# Allegro board CATALYSTK_260108.brd (continued)
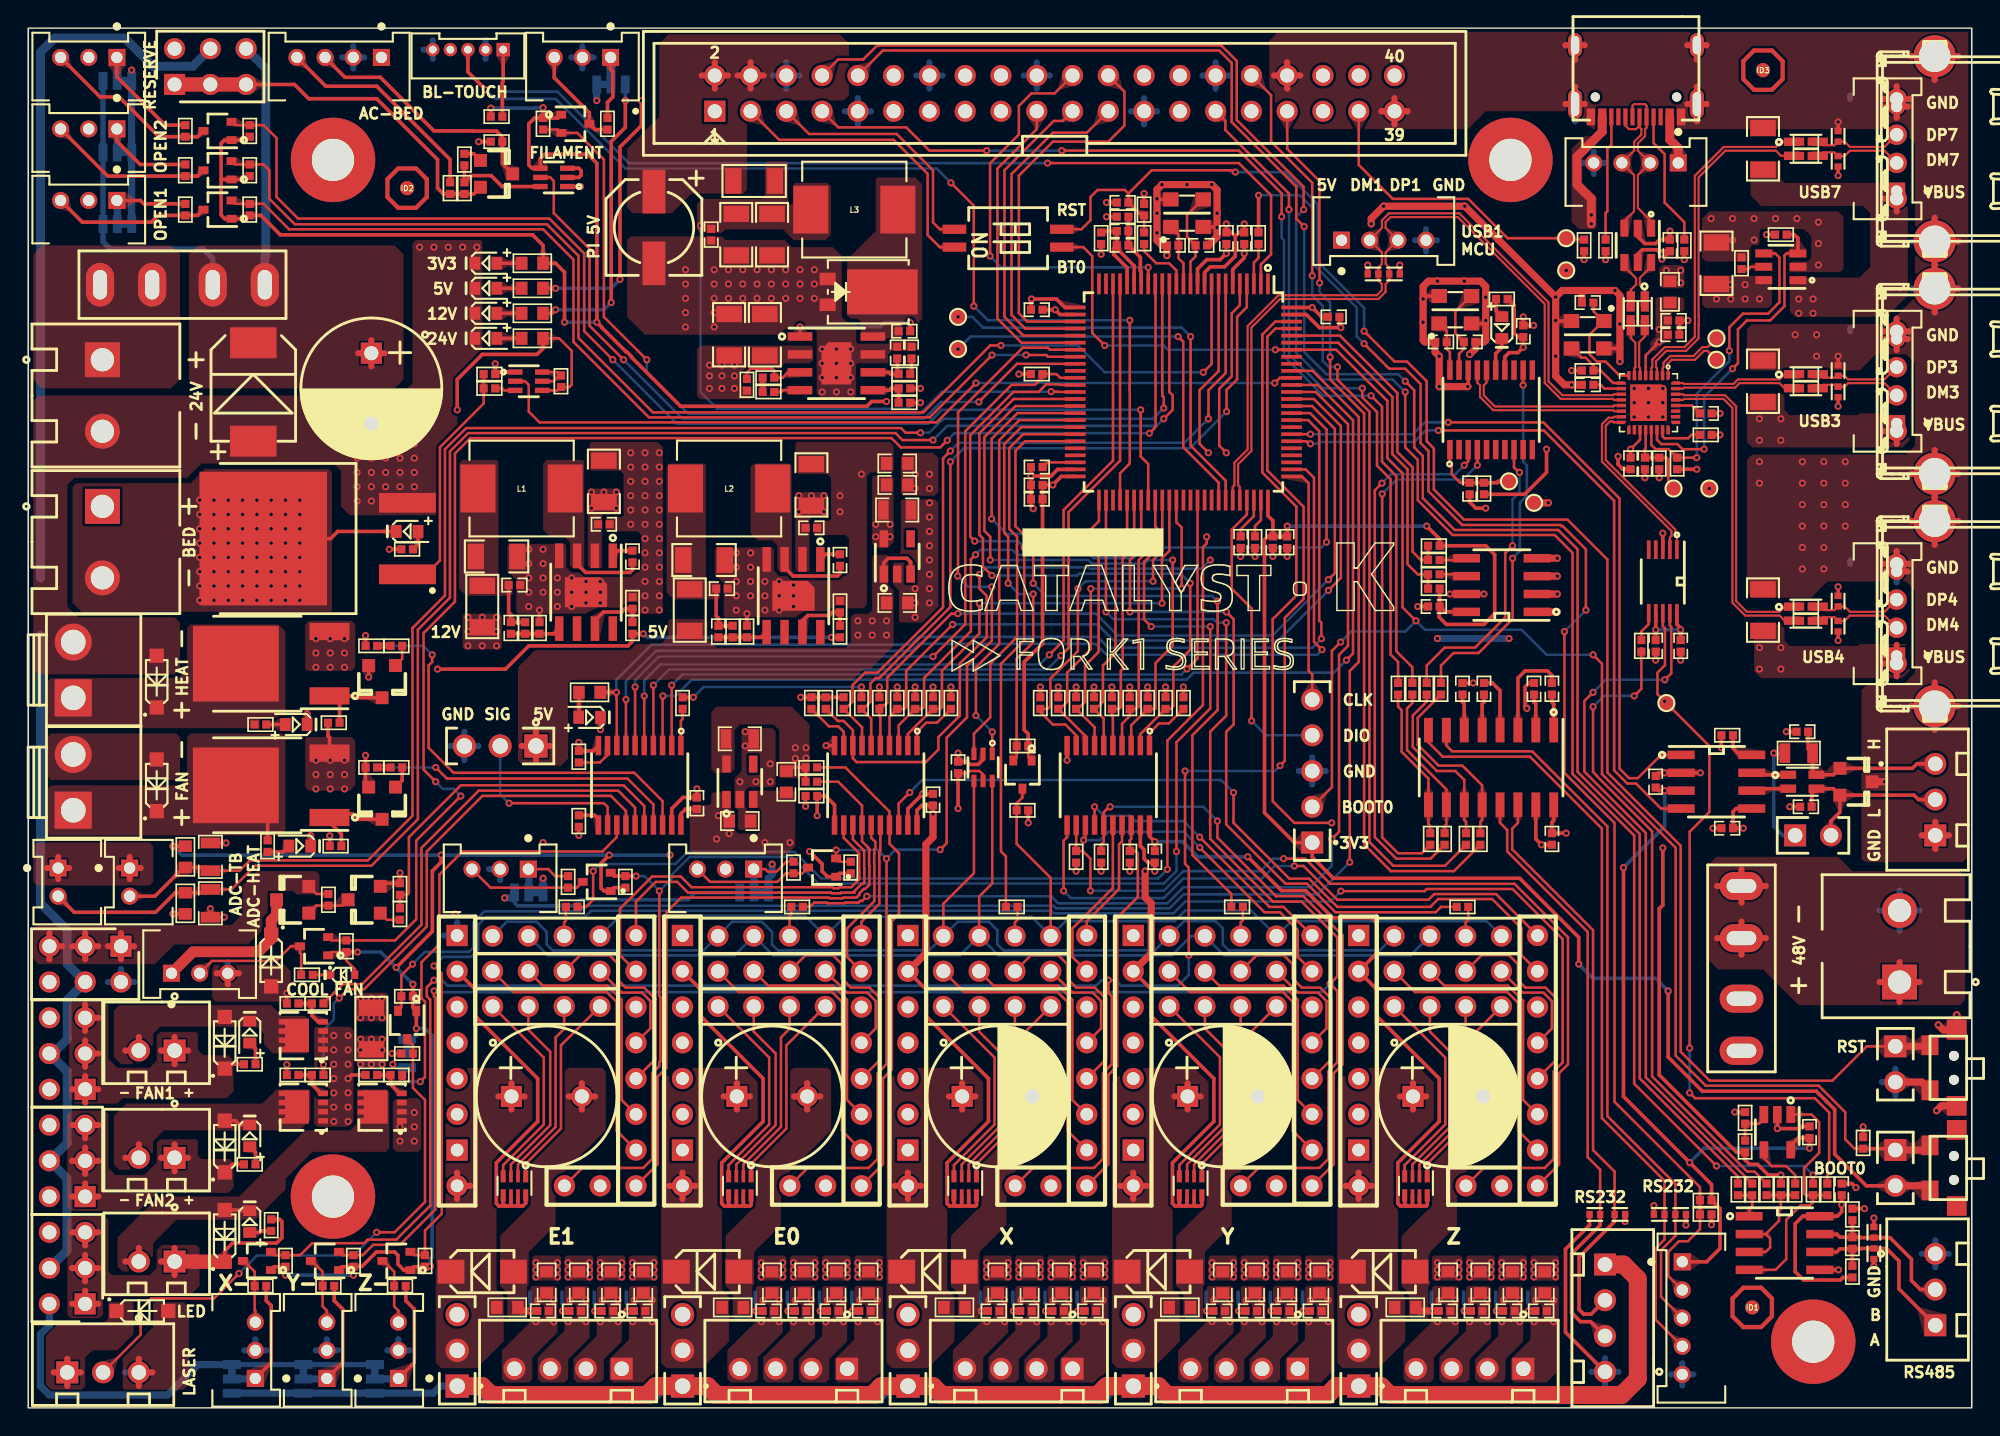
[diagram p0: board, top side]
## Copper pours and planes (outline as drawn; the poured copper is in the pictures) (continued)
+24V on TOP: 50.66,73.68 53.2,73.68 53.7,74.19 55.48,74.19 55.74,74.44 55.74,75.33 55.61,75.46 47.73,75.46 47.48,75.21 47.48,71.9 47.73,71.65 51.29,71.65 51.42,71.78 51.42,72.41 51.29,72.54 50.66,72.54 50.53,72.67 50.53,73.56
+24V on TOP: 39.73,65.17 39.73,59.84 39.99,59.59 40.62,59.59 40.75,59.71 40.75,63.4 40.88,63.52 41.77,63.52 42.02,63.78 42.02,65.17 41.89,65.3 39.86,65.3
+24V on TOP: 11.41,81.94 11.41,73.05 12.05,72.41 26.02,72.41 26.65,73.05 26.65,81.94 26.02,82.57 12.05,82.57
+24V on TOP: 23.22,29.36 23.22,27.58 23.35,27.45 25.38,27.45 25.51,27.58 25.51,29.36 25.38,29.49 23.35,29.49
+24V on TOP: 19.79,47.65 22.97,47.65 23.22,47.39 23.22,44.22 22.84,43.84 19.92,43.84 19.67,44.09 19.67,47.52
+24V on TOP: 23.22,55.65 23.22,52.6 22.97,52.35 19.79,52.35 19.67,52.47 19.67,55.65 19.92,55.9 22.97,55.9
+24V on TOP: 54.47,64.92 54.47,59.59 54.72,59.33 55.35,59.33 55.48,59.46 55.48,63.14 55.61,63.27 56.5,63.27 56.75,63.52 56.75,64.92 56.62,65.05 54.59,65.05
+24V on BOTTOM: 23.35,29.36 23.35,27.45 23.48,27.33 25.38,27.33 25.51,27.45 25.51,29.36 25.38,29.49 23.48,29.49
+24V on ART03: 30.08,69.24 29.45,68.6 29.45,39.14 30.08,38.5 34.02,38.5 34.65,37.87 34.65,35.71 34.27,35.33 28.94,35.33 27.92,34.31 27.92,4.09 28.68,3.32 32.62,3.32 33.26,2.69 33.26,0.78 32.88,0.4 1.25,0.4 0.62,1.04 0.62,71.4 1.13,71.9 9.89,71.9 10.78,72.79 10.78,81.56 11.16,81.94 44.43,81.94 45.96,80.41 45.96,76.35 46.72,75.59 55.23,75.59 55.86,74.95 55.86,67.33 56.88,66.32 56.88,63.52 56.62,63.27 53.58,63.27 52.69,64.16 52.69,68.6 52.05,69.24 42.78,69.24 42.15,68.6 42.15,63.78 41.89,63.52 39.73,63.52 39.48,63.78 39.48,68.73 38.97,69.24
+48V on ART03: 116.19,10.82 116.95,11.58 116.95,17.93 120.76,21.74 123.43,21.74 123.81,22.12 123.81,29.36 123.3,29.87 110.98,29.87 108.57,27.45 108.57,17.93 107.81,17.17 29.7,17.17 29.19,16.66 29.19,5.48 29.57,5.1 31.1,5.1 32.37,3.83 43.16,3.83 44.31,2.69 49,2.69 50.15,3.83 58.91,3.83 60.05,2.69 64.88,2.69 66.02,3.83 74.91,3.83 76.06,2.69 80.75,2.69 81.9,3.83 90.79,3.83 91.93,2.69 95.61,2.69 95.87,2.44 95.87,1.04 96.38,0.53 115.93,0.53 116.19,0.78
GND on TOP: 1.63,47.9 10.52,47.9 10.78,47.65 10.78,44.98 10.4,44.6 1.63,44.6 1.25,44.98 1.25,47.52
GND on TOP: 137.74,97.74 137.74,39.14 137.36,38.76 130.41,38.76 130.16,39.01 130.16,50.95 130.54,51.33 133.08,51.33 133.97,52.22 133.97,58.06 133.33,58.7 127.74,58.7 126.6,57.55 122.41,57.55 122.03,57.93 122.03,67.33 122.41,67.71 133.33,67.71 133.97,68.35 133.97,74.19 133.33,74.83 131.17,74.83 130.03,73.68 122.28,73.68 122.03,73.94 122.03,76.6 122.41,76.98 132.06,76.98 133.97,78.89 133.97,89.81 132.95,90.83 111.11,90.83 109.84,92.1 103.49,92.1 102.22,90.83 88.88,90.83 88.12,91.59 88.12,97.11 88.76,97.74
GND on TOP: 27.54,82.95 32.11,82.95 32.24,82.83 32.24,75.21 30.46,73.43 30.46,69.75 29.45,68.73 29.45,63.78 29.07,63.4 22.84,63.4 22.21,64.03 22.21,66.57 21.7,67.08 12.3,67.08 11.29,66.06 3.28,66.06 2.78,65.55 2.78,56.92 3.54,56.16 10.4,56.16 10.78,55.78 10.78,52.47 10.4,52.09 0.74,52.09 0.36,52.47 0.36,71.52 0.74,71.9 26.4,71.9 27.29,72.79 27.29,82.7
GND on TOP: 101.46,12.98 101.46,16.15 105.01,19.71 105.01,23.9 104.76,24.15 102.34,24.15 102.09,23.9 102.09,19.71 99.68,17.29 99.68,14.37 97.52,12.21 97.52,8.66 98.03,8.15 98.03,6.5 98.15,6.37 99.42,6.37 99.55,6.5 99.55,11.07
GND on TOP: 34.02,61.24 34.02,59.46 34.65,58.82 34.65,56.54 34.78,56.41 44.94,56.41 45.07,56.54 45.07,68.22 44.69,68.6 39.99,68.6 39.86,68.48 39.86,66.7 39.99,66.57 42.02,66.57 42.27,66.32 42.27,63.4 42.15,63.27 41.13,63.27 41,63.14 41,62.38 41.13,62.25 43.29,62.25 43.54,62 43.54,59.59 43.29,59.33 38.59,59.33 38.21,59.71 38.21,61.24 38.08,61.36 34.15,61.36
GND on TOP: 85.45,12.98 85.45,16.15 89.01,19.71 89.01,23.9 88.76,24.15 86.34,24.15 86.09,23.9 86.09,19.71 83.68,17.29 83.68,14.37 81.52,12.21 81.52,8.66 82.02,8.15 82.02,6.5 82.15,6.37 83.42,6.37 83.55,6.5 83.55,11.07
GND on TOP: 8.87,5.74 6.71,3.58 6.71,1.42 6.84,1.29 11.03,1.29 11.41,1.67 11.41,7.13 11.03,7.52 9,7.52 8.87,7.39
GND on TOP: 51.8,42.19 51.8,41.17 51.67,41.04 50.53,41.04 50.4,41.17 50.4,42.44 50.15,42.69 50.15,44.73 50.66,45.23 50.66,48.16 50.78,48.28 52.81,48.28 53.07,48.03 53.07,44.22 52.94,44.09 51.16,44.09 50.91,43.84 50.91,42.69 51.16,42.44 51.54,42.44
GND on TOP: 53.45,12.98 53.45,16.15 57.01,19.71 57.01,23.9 56.75,24.15 54.34,24.15 54.08,23.9 54.08,19.71 51.67,17.29 51.67,14.37 49.51,12.21 49.51,8.66 50.02,8.15 50.02,6.5 50.15,6.37 51.42,6.37 51.54,6.5 51.54,11.07
GND on TOP: 0.62,40.15 8.62,40.15 8.87,39.9 8.87,37.36 8.62,37.11 0.62,37.11 0.36,37.36 0.36,39.9
GND on TOP: 27.67,18.18 27.92,18.44 27.92,21.74 27.67,21.99 26.14,21.99 25.89,21.74 25.89,18.44 26.14,18.18
GND on TOP: 48.75,60.98 48.75,59.2 49.39,58.57 49.39,56.28 49.51,56.16 57.51,56.16 58.15,56.79 59.29,56.79 59.55,57.05 59.55,66.19 59.8,66.44 61.32,66.44 61.45,66.57 61.45,68.6 61.32,68.73 54.72,68.73 54.47,68.48 54.47,66.57 54.72,66.32 56.75,66.32 57.01,66.06 57.01,63.14 56.88,63.01 55.86,63.01 55.74,62.89 55.74,62.13 55.86,62 58.02,62 58.28,61.74 58.28,59.33 58.02,59.08 53.32,59.08 52.94,59.46 52.94,60.98 52.81,61.11 48.88,61.11
GND on TOP: 37.45,12.98 37.45,16.15 41,19.71 41,23.9 40.75,24.15 38.34,24.15 38.08,23.9 38.08,19.71 35.67,17.29 35.67,14.37 33.51,12.21 33.51,8.66 34.02,8.15 34.02,6.5 34.15,6.37 35.42,6.37 35.54,6.5 35.54,11.07
GND on TOP: 18.02,31.65 18.65,31.01 18.65,29.23 18.27,28.85 13.32,28.85 13.06,29.11 13.06,31.26 13.44,31.65
GND on TOP: 61.07,75.59 58.91,75.59 58.78,75.71 58.78,76.98 58.66,77.11 58.15,77.11 57.77,77.49 57.77,81.81 57.13,82.45 54.21,82.45 53.7,82.95 49.51,82.95 49.26,83.21 42.78,83.21 42.53,82.95 42.53,77.49 43.8,76.22 53.32,76.22 53.7,76.6 55.86,76.6 55.99,76.48 55.99,72.03 56.24,71.78 58.66,71.78 58.78,71.9 58.78,74.06 58.91,74.19 60.94,74.19 61.07,74.32 61.07,74.83 61.32,75.08 62.97,75.08 63.1,75.21 63.1,75.59 62.97,75.71 61.2,75.71
GND on TOP: 61.96,64.41 61.96,60.86 61.45,60.35 61.45,58.44 61.83,58.06 61.83,55.9 61.96,55.78 64.12,55.78 64.63,56.28 64.63,64.28 64.37,64.54 62.09,64.54
GND on TOP: 20.3,26.95 20.3,20.22 20.56,19.96 22.72,19.96 23.1,20.34 23.1,26.82 22.84,27.07 20.43,27.07
GND on TOP: 125.08,80.67 128.63,80.67 128.89,80.92 128.89,84.6 128.51,84.99 119.36,84.99 118.85,84.48 118.85,81.68 119.11,81.43 122.16,81.43 122.28,81.56 122.28,82.45 122.41,82.57 122.79,82.57 122.92,82.7 122.92,83.59 123.05,83.72 126.09,83.72 126.6,83.21 126.6,81.68 126.35,81.43 125.2,81.43 125.08,81.3
GND on TOP: 69.45,12.98 69.45,16.15 73.01,19.71 73.01,23.9 72.75,24.15 70.34,24.15 70.09,23.9 70.09,19.71 67.67,17.29 67.67,14.37 65.51,12.21 65.51,8.66 66.02,8.15 66.02,6.5 66.15,6.37 67.42,6.37 67.55,6.5 67.55,11.07
GND on BOTTOM: 18.33,97.74 137.74,97.74 137.74,0.26 109.2,0.26 109.2,7.26 108.82,7.64 51.8,7.64 51.16,7.01 35.29,7.01 35.29,6.75 32.11,3.58 11.79,3.58 9.63,1.42 6.71,1.42 6.46,1.67 6.46,4.47 8.49,6.5 24.75,6.5 27.67,9.42 36.81,9.42 37.45,10.06 37.45,24.15 36.56,25.04 31.73,25.04 31.61,25.17 31.61,29.61 31.86,29.87 99.17,29.87 99.68,30.38 99.68,34.82 95.49,34.82 94.6,35.71 94.6,38.12 94.09,38.63 84.56,38.63 83.8,39.39 83.8,44.35 83.04,45.11 56.37,45.11 55.99,45.49 55.99,47.27 55.61,47.65 53.83,47.65 53.45,47.27 53.45,43.08 53.2,42.82 39.35,42.82 38.59,43.58 38.59,48.16 38.08,48.66 34.65,48.66 33.76,47.77 33.76,44.98 33.26,44.47 2.9,44.47 2.14,45.23 2.14,55.27 2.78,55.9 20.05,55.9 20.56,56.41 20.56,64.79 19.92,65.43 7.6,65.43 7.09,64.92 7.09,62.38 6.59,61.87 3.03,61.87 2.52,62.38 2.52,69.62 3.28,70.38 25.76,70.38 27.54,68.6 27.54,56.16 30.34,53.36 33.64,53.36 34.02,53.74 34.02,56.54 31.1,59.46 31.1,71.4 28.81,73.68 18.91,73.68 18.4,74.19 18.4,81.18 17.76,81.81 17.76,97.18 ; 2 cut-outs
GND on BOTTOM: 26.4,18.56 27.8,18.56 28.05,18.82 28.05,21.61 27.8,21.87 26.02,21.87 25.89,21.74 25.89,19.07
GND on BOTTOM: 22.97,32.15 22.97,18.82 22.59,18.44 13.7,18.44 13.19,18.95 13.19,37.61 14.21,38.63 33.26,38.63 33.64,38.25 33.64,36.09 32.24,34.69 32.24,33.55 31.86,33.17 23.99,33.17
GND on ART02: 0.26,97.74 137.74,97.74 137.74,0.26 6.86,0.26 6.33,0.78 6.33,26.69 8.24,28.6 8.24,36.73 7.86,37.11 0.62,37.11 0.26,37.47 0.26,55.54 0.62,55.9 19.29,55.9 20.3,56.92 20.3,64.79 19.54,65.55 11.54,65.55 8.24,62.25 0.26,62.25 ; 12 cut-outs
GND on ART03: 96.76,91.46 102.6,85.62 111.87,85.62 112.38,86.13 112.38,90.45 112.76,90.83 122.41,90.83 123.17,90.07 123.17,81.18 124.06,80.29 127.11,80.29 127.87,79.52 127.87,76.35 127.24,75.71 127.24,52.09 126.35,51.2 122.54,51.2 121.9,51.84 121.9,73.43 121.65,73.68 118.98,73.68 118.47,73.17 118.47,54.76 117.97,54.25 115.3,54.25 114.66,54.89 114.66,56.54 116.31,58.19 116.31,63.78 115.17,64.92 115.17,66.32 114.92,66.57 113.65,66.57 113.14,67.08 113.14,68.73 113.52,69.11 115.93,69.11 116.31,69.49 116.31,73.56 115.81,74.06 106.54,74.06 105.71,73.24 105.71,49.49 106.66,48.54 109.58,48.54 113.65,44.47 121.39,44.47 123.05,42.82 123.05,39.39 122.41,38.76 109.84,38.76 109.77,38.82 109.14,38.82 105.39,42.57 104.88,42.57 104.88,28.09 105.39,27.58 107.81,27.58 110.6,30.38 123.68,30.38 124.44,29.61 124.44,21.99 123.81,21.36 121.01,21.36 117.46,17.8 117.46,11.33 116.82,10.69 116.82,0.91 117.33,0.4 137.02,0.4 137.65,1.04 137.65,97.05 137.02,97.69 58.53,97.69 57.77,96.92 57.77,91.21 58.4,90.57 88.5,90.57 89.39,91.46
GND on ART03: 5.57,97.3 5.57,92.61 6.71,91.46 43.92,91.46 49.64,85.75 71.48,85.75 71.74,85.49 71.74,68.73 70.72,67.71 56.62,67.71 56.12,68.22 56.12,75.21 55.35,75.97 46.97,75.97 46.34,76.6 46.34,80.67 44.69,82.32 1.13,82.32 0.62,82.83 0.62,97.3 1,97.69 5.19,97.69
GND on ART03: 107.93,39.77 105.14,42.57 90.28,42.57 88.25,44.6 88.25,47.01 86.98,48.28 57.13,48.28 56.37,47.52 56.37,38.25 54.27,36.15 45.45,36.15 44.94,36.66 44.94,39.52 45.32,39.9 48.88,39.9 49.26,39.52 51.93,39.52 52.94,40.54 52.94,45.87 52.18,46.63 52.18,49.55 52.94,50.31 52.94,62.63 52.69,62.89 30.08,62.89 29.83,62.63 29.83,39.65 30.46,39.01 34.27,39.01 35.03,38.25 35.03,35.71 34.27,34.95 29.19,34.95 28.43,34.19 28.43,18.31 29,17.74 107.36,17.74 107.93,18.31
VBUS_OUT on TOP: 122.28,86.13 122.28,88.41 122.41,88.54 124.32,88.54 124.44,88.41 124.44,87.27 124.7,87.02 133.21,87.02 133.46,86.76 133.46,79.02 131.94,77.49 125.46,77.49 125.08,77.87 125.08,80.16 125.2,80.29 130.03,80.29 130.79,81.05 130.79,84.86 130.28,85.37 123.05,85.37
VBUS_OUT on TOP: 124.7,71.9 124.7,70.89 125.08,70.51 129.9,70.51 130.03,70.63 133.33,70.63 133.59,70.38 133.59,68.73 133.08,68.22 122.41,68.22 122.03,68.6 122.03,71.78 122.28,72.03 124.57,72.03
VBUS_OUT on TOP: 124.7,55.52 124.7,54.51 125.08,54.12 129.9,54.12 130.03,54.25 133.33,54.25 133.59,54 133.59,52.35 133.08,51.84 123.05,51.84 122.54,52.35 122.54,55.52 122.66,55.65 124.57,55.65
VBUS_OUT on ART03: 122.54,52.22 122.92,51.84 125.84,51.84 126.35,52.35 126.35,76.22 127.24,77.11 127.24,78.89 126.86,79.27 124.82,79.27 122.54,76.98
VCCIO on TOP: 53.32,48.16 53.32,44.85 53.45,44.73 55.35,44.73 55.48,44.85 55.48,48.54 54.21,49.81 48.88,49.81 48.5,49.43 48.5,45.36 48.75,45.11 49.89,45.11 50.15,45.36 50.15,48.16 50.53,48.54 52.94,48.54
VCCIO on BOTTOM: 58.15,42.82 71.48,42.82 74.53,39.77 78.21,39.77 78.98,40.54 80.37,40.54 80.63,40.28 80.63,38.38 80.12,37.87 73.9,37.87 70.47,41.3 57.13,41.3 53.83,44.6 53.83,46.95 54.15,47.27 55.35,47.27 55.61,47.01 55.61,45.36
VDD_3V3 on TOP: 116.7,77.75 116.7,75.84 116.44,75.84 115.68,75.08 115.3,75.08 115.17,75.21 115.17,75.71 115.55,76.1 115.55,78.76 115.68,78.89 117.46,78.89 117.58,78.76 117.58,78 117.46,77.87 116.82,77.87
VDD_3V3 on ART03: 105.9,76.22 114.66,76.22 115.3,76.86 117.46,76.86 118.09,76.22 118.09,55.01 117.84,54.76 115.55,54.76 115.17,55.14 115.17,56.28 116.82,57.93 116.82,63.9 115.55,65.17 115.55,66.57 115.17,66.95 113.77,66.95 113.52,67.21 113.52,68.48 113.77,68.73 116.19,68.73 116.82,69.36 116.82,73.68 116.06,74.44 106.03,74.44 105.65,74.83 105.65,75.97
1A_HV_STEPSTICK_DRIVER on TOP: 74.28,9.04 74.4,9.17 74.4,10.69 74.28,10.82 72.5,10.82 72.37,10.69 72.37,9.17 72.5,9.04
1A_HV_STEPSTICK_DRIVER on ART02: 61.2,26.69 61.58,27.07 65.9,27.07 66.78,26.18 66.78,14.63 68.31,13.1 73.39,13.1 74.4,12.09 74.4,8.91 73.9,8.4 64.63,8.4 63.48,9.55 63.48,21.36 63.1,21.74 61.58,21.74 61.2,22.12
1A_HV_STEPSTICK_DRIVER1 on TOP: 90.28,9.04 90.41,9.17 90.41,10.69 90.28,10.82 88.5,10.82 88.37,10.69 88.37,9.17 88.5,9.04
1A_HV_STEPSTICK_DRIVER1 on ART02: 77.2,26.69 77.58,27.07 81.9,27.07 82.79,26.18 82.79,14.63 84.31,13.1 89.39,13.1 90.41,12.09 90.41,8.91 89.9,8.4 82.53,8.4 82.47,8.47 82.41,8.4 80.63,8.4 79.48,9.55 79.48,21.36 79.1,21.74 77.58,21.74 77.2,22.12
1A_STEPSTICK_DRIVER on TOP: 106.28,9.04 106.41,9.17 106.41,10.69 106.28,10.82 104.5,10.82 104.38,10.69 104.38,9.17 104.5,9.04
1A_STEPSTICK_DRIVER on ART02: 93.2,26.69 93.58,27.07 97.9,27.07 98.79,26.18 98.79,14.63 100.31,13.1 105.39,13.1 106.41,12.09 106.41,8.91 105.9,8.4 96.63,8.4 95.49,9.55 95.49,21.36 95.11,21.74 93.58,21.74 93.2,22.12
1A_STEPSTICK_DRIVER1 on TOP: 58.28,9.04 58.4,9.17 58.4,10.69 58.28,10.82 56.5,10.82 56.37,10.69 56.37,9.17 56.5,9.04
1A_STEPSTICK_DRIVER1 on ART02: 45.19,26.69 45.58,27.07 49.89,27.07 50.78,26.18 50.78,14.63 52.31,13.1 57.39,13.1 58.4,12.09 58.4,8.91 57.89,8.4 48.62,8.4 47.48,9.55 47.48,21.36 47.1,21.74 45.58,21.74 45.19,22.12
1A_STEPSTICK_DRIVER2 on TOP: 42.27,9.04 42.4,9.17 42.4,10.69 42.27,10.82 40.5,10.82 40.37,10.69 40.37,9.17 40.5,9.04
1A_STEPSTICK_DRIVER2 on ART02: 29.19,26.69 29.57,27.07 33.89,27.07 34.78,26.18 34.78,14.63 36.3,13.1 41.38,13.1 42.4,12.09 42.4,8.91 41.89,8.4 32.62,8.4 31.48,9.55 31.48,21.36 31.1,21.74 29.57,21.74 29.19,22.12
1B_HV_STEPSTICK_DRIVER on TOP: 76.56,9.04 76.69,9.17 76.69,10.69 76.56,10.82 74.79,10.82 74.66,10.69 74.66,9.17 74.79,9.04
1B_HV_STEPSTICK_DRIVER on ART02: 61.2,27.58 61.45,27.33 66.15,27.33 67.29,26.18 67.29,14.63 68.56,13.36 73.64,13.36 74.66,12.34 74.66,8.91 75.17,8.4 78.85,8.4 78.98,8.53 78.98,19.07 76.69,21.36 76.69,29.74 76.31,30.12 61.58,30.12 61.2,29.74
1B_HV_STEPSTICK_DRIVER1 on TOP: 92.57,9.04 92.69,9.17 92.69,10.69 92.57,10.82 90.79,10.82 90.66,10.69 90.66,9.17 90.79,9.04
1B_HV_STEPSTICK_DRIVER1 on ART02: 77.2,27.58 77.45,27.33 82.15,27.33 83.29,26.18 83.29,14.63 84.56,13.36 89.64,13.36 90.66,12.34 90.66,8.91 91.17,8.4 94.85,8.4 94.98,8.53 94.98,19.07 92.69,21.36 92.69,29.74 92.31,30.12 77.58,30.12 77.2,29.74
1B_STEPSTICK_DRIVER on TOP: 108.57,9.04 108.69,9.17 108.69,10.69 108.57,10.82 106.79,10.82 106.66,10.69 106.66,9.17 106.79,9.04
1B_STEPSTICK_DRIVER on ART02: 93.2,27.58 93.45,27.33 98.15,27.33 99.3,26.18 99.3,14.63 100.57,13.36 105.65,13.36 106.66,12.34 106.66,8.91 107.17,8.4 110.85,8.4 110.98,8.53 110.98,19.07 108.69,21.36 108.69,29.74 108.31,30.12 93.58,30.12 93.2,29.74
1B_STEPSTICK_DRIVER1 on TOP: 60.56,9.04 60.69,9.17 60.69,10.69 60.56,10.82 58.78,10.82 58.66,10.69 58.66,9.17 58.78,9.04
1B_STEPSTICK_DRIVER1 on ART02: 45.19,27.58 45.45,27.33 50.15,27.33 51.29,26.18 51.29,14.63 52.56,13.36 57.64,13.36 58.66,12.34 58.66,8.91 59.16,8.4 62.85,8.4 62.97,8.53 62.97,19.07 60.69,21.36 60.69,29.74 60.31,30.12 45.58,30.12 45.19,29.74
1B_STEPSTICK_DRIVER2 on TOP: 44.56,9.04 44.69,9.17 44.69,10.69 44.56,10.82 42.78,10.82 42.65,10.69 42.65,9.17 42.78,9.04
1B_STEPSTICK_DRIVER2 on ART02: 29.19,27.58 29.45,27.33 34.15,27.33 35.29,26.18 35.29,14.63 36.56,13.36 41.64,13.36 42.65,12.34 42.65,8.91 43.16,8.4 46.85,8.4 46.97,8.53 46.97,19.07 44.69,21.36 44.69,29.74 44.31,30.12 29.57,30.12 29.19,29.74
2A_HV_STEPSTICK_DRIVER on TOP: 71.99,9.04 72.12,9.17 72.12,10.69 71.99,10.82 70.21,10.82 70.09,10.69 70.09,9.17 70.21,9.04
2A_HV_STEPSTICK_DRIVER on BOTTOM: 68.44,24.66 69.07,24.03 69.07,17.17 70.21,16.02 72.12,16.02 72.37,15.77 72.37,10.82 72.12,10.56 72.12,9.17 71.99,9.04 70.21,9.04 70.09,9.17 70.09,10.69 69.83,10.94 66.91,10.94 66.28,11.58 66.28,20.72 64.88,22.12 61.32,22.12 61.2,22.25 61.2,24.41 61.45,24.66
2A_HV_STEPSTICK_DRIVER1 on TOP: 87.99,9.04 88.12,9.17 88.12,10.69 87.99,10.82 86.22,10.82 86.09,10.69 86.09,9.17 86.22,9.04
2A_HV_STEPSTICK_DRIVER1 on BOTTOM: 84.44,24.66 85.07,24.03 85.07,17.17 86.22,16.02 88.12,16.02 88.37,15.77 88.37,10.82 88.12,10.56 88.12,9.17 87.99,9.04 86.22,9.04 86.09,9.17 86.09,10.69 85.83,10.94 82.91,10.94 82.28,11.58 82.28,20.72 80.88,22.12 77.33,22.12 77.2,22.25 77.2,24.41 77.45,24.66
2A_STEPSTICK_DRIVER on TOP: 104,9.04 104.12,9.17 104.12,10.69 104,10.82 102.22,10.82 102.09,10.69 102.09,9.17 102.22,9.04
2A_STEPSTICK_DRIVER on BOTTOM: 100.44,24.66 101.07,24.03 101.07,17.17 102.22,16.02 104.12,16.02 104.38,15.77 104.38,10.82 104.12,10.56 104.12,9.17 104,9.04 102.22,9.04 102.09,9.17 102.09,10.69 101.84,10.94 98.92,10.94 98.28,11.58 98.28,20.72 96.88,22.12 93.33,22.12 93.2,22.25 93.2,24.41 93.45,24.66
2A_STEPSTICK_DRIVER1 on TOP: 55.99,9.04 56.12,9.17 56.12,10.69 55.99,10.82 54.21,10.82 54.08,10.69 54.08,9.17 54.21,9.04
2A_STEPSTICK_DRIVER1 on BOTTOM: 52.43,24.66 53.07,24.03 53.07,17.17 54.21,16.02 56.12,16.02 56.37,15.77 56.37,10.82 56.12,10.56 56.12,9.17 55.99,9.04 54.21,9.04 54.08,9.17 54.08,10.69 53.83,10.94 50.91,10.94 50.27,11.58 50.27,20.72 48.88,22.12 45.32,22.12 45.19,22.25 45.19,24.41 45.45,24.66
2A_STEPSTICK_DRIVER2 on TOP: 39.99,9.04 40.11,9.17 40.11,10.69 39.99,10.82 38.21,10.82 38.08,10.69 38.08,9.17 38.21,9.04
2A_STEPSTICK_DRIVER2 on BOTTOM: 36.43,24.66 37.07,24.03 37.07,17.17 38.21,16.02 40.11,16.02 40.37,15.77 40.37,10.82 40.11,10.56 40.11,9.17 39.99,9.04 38.21,9.04 38.08,9.17 38.08,10.69 37.83,10.94 34.91,10.94 34.27,11.58 34.27,20.72 32.88,22.12 29.32,22.12 29.19,22.25 29.19,24.41 29.45,24.66
2B_HV_STEPSTICK_DRIVER on TOP: 67.8,9.17 67.93,9.04 69.71,9.04 69.83,9.17 69.83,10.69 69.71,10.82 67.93,10.82 67.8,10.69
2B_HV_STEPSTICK_DRIVER on BOTTOM: 69.83,9.17 69.83,10.56 69.71,10.69 66.66,10.69 65.9,11.45 65.9,20.6 64.63,21.87 61.32,21.87 61.2,21.74 61.2,16.79 61.58,16.41 63.23,16.41 63.61,16.02 63.61,10.56 65.13,9.04 69.71,9.04
2B_HV_STEPSTICK_DRIVER1 on TOP: 83.8,9.17 83.93,9.04 85.71,9.04 85.83,9.17 85.83,10.69 85.71,10.82 83.93,10.82 83.8,10.69
2B_HV_STEPSTICK_DRIVER1 on BOTTOM: 85.83,9.17 85.83,10.56 85.71,10.69 82.66,10.69 81.9,11.45 81.9,20.6 80.63,21.87 77.33,21.87 77.2,21.74 77.2,16.79 77.58,16.41 79.23,16.41 79.61,16.02 79.61,10.56 81.14,9.04 85.71,9.04
2B_STEPSTICK_DRIVER on TOP: 101.71,9.04 101.84,9.17 101.84,10.69 101.71,10.82 99.8,10.82 99.68,10.69 99.68,9.17 99.8,9.04
2B_STEPSTICK_DRIVER on BOTTOM: 101.84,9.17 101.84,10.56 101.71,10.69 98.66,10.69 97.9,11.45 97.9,20.6 96.63,21.87 93.33,21.87 93.2,21.74 93.2,16.79 93.58,16.41 95.23,16.41 95.61,16.02 95.61,10.56 97.14,9.04 101.71,9.04
2B_STEPSTICK_DRIVER1 on TOP: 51.8,9.17 51.93,9.04 53.7,9.04 53.83,9.17 53.83,10.69 53.7,10.82 51.93,10.82 51.8,10.69
2B_STEPSTICK_DRIVER1 on BOTTOM: 53.83,9.17 53.83,10.56 53.7,10.69 50.66,10.69 49.89,11.45 49.89,20.6 48.62,21.87 45.32,21.87 45.19,21.74 45.19,16.79 45.58,16.41 47.23,16.41 47.61,16.02 47.61,10.56 49.13,9.04 53.7,9.04
2B_STEPSTICK_DRIVER2 on TOP: 35.8,9.17 35.92,9.04 37.7,9.04 37.83,9.17 37.83,10.69 37.7,10.82 35.92,10.82 35.8,10.69
2B_STEPSTICK_DRIVER2 on BOTTOM: 37.83,9.17 37.83,10.56 37.7,10.69 34.65,10.69 33.89,11.45 33.89,20.6 32.62,21.87 29.32,21.87 29.19,21.74 29.19,16.79 29.57,16.41 31.22,16.41 31.61,16.02 31.61,10.56 33.13,9.04 37.7,9.04
DC_5V on TOP: 54.47,43.71 54.47,39.9 53.83,39.27 47.35,39.27 46.97,39.65 46.97,42.69 47.1,42.82 48.37,42.82 48.5,42.95 48.5,43.58 48.62,43.71 49.89,43.71 49.89,42.57 50.15,42.31 50.15,41.04 50.4,40.79 51.8,40.79 52.05,41.04 52.05,42.44 51.8,42.69 51.29,42.69 51.16,42.82 51.16,43.71 51.29,43.84 54.34,43.84
DC_5V on TOP: 123.81,80.29 123.68,80.41 118.98,80.41 118.85,80.29 118.85,78.38 119.11,78.13 123.55,78.13 123.81,78.38
DC_5V on TOP: 61.45,58.06 61.45,54.12 59.04,51.71 38.59,51.71 38.34,51.46 38.34,46.12 37.83,45.62 35.16,45.62 34.78,46 34.78,52.6 36.43,54.25 44.94,54.25 45.45,54.76 45.45,55.9 45.58,56.03 48.12,56.03 48.24,55.9 48.24,54.63 48.88,54 58.02,54 58.4,54.38 58.4,56.16 58.66,56.41 59.67,56.41 59.93,56.66 59.93,60.47 60.05,60.6 60.94,60.6 61.07,60.47 61.07,58.44
DC_5V on TOP: 111.36,86 111.36,83.84 111.23,83.72 110.09,83.72 109.58,84.22 109.58,89.43 110.47,90.32 111.62,90.32 111.62,90.07 110.35,88.8 110.35,87.02
DC_5V on BOTTOM: 5.19,42.06 5.19,29.49 5.57,29.11 8.62,29.11 9.13,29.61 9.13,39.01 10.65,40.54 29.83,40.54 30.59,39.77 54.34,39.77 54.47,39.9 54.47,41.93 53.96,42.44 39.23,42.44 38.21,43.46 38.21,47.9 37.83,48.28 34.91,48.28 34.65,48.03 34.65,44.35 33.89,43.58 6.71,43.58
DC_5V on ART02: 5.32,5.74 5.7,6.12 5.7,26.69 7.73,28.72 7.73,34.82 7.35,35.2 0.74,35.2 0.49,34.95 0.49,5.86 0.62,5.74
DC_5V on ART03: 102.22,85.11 114.54,85.11 116.19,86.76 116.19,89.18 116.57,89.56 119.74,89.56 120.57,88.73 120.57,83.27 123.17,80.67 123.17,78.51 122.66,78 120.12,78 118.73,79.4 118.73,80.54 117.71,81.56 116.57,81.56 116.31,81.3 115.55,81.3 114.28,82.57 104.63,82.57 102.34,80.29 102.34,56.28 99.17,53.11 58.53,53.11 57.51,54.12 57.51,57.81 58.15,58.44 61.07,58.44 61.83,57.68 93.2,57.68 96.5,60.98 96.5,78.76 88.25,87.02 49.51,87.02 44.43,92.1 7.48,92.1 6.84,92.73 6.84,97.3 7.22,97.69 56.5,97.69 57.13,97.05 57.13,90.83 57.77,90.19 88.76,90.19 89.33,90.76 96.57,90.76
J_1A_HV_STEPSTICK_DRIVER on TOP: 70.72,2.05 70.98,1.8 72.63,1.8 72.88,2.05 72.88,3.45 74.15,4.72 74.15,8.53 74.02,8.66 72.5,8.66 72.37,8.53 72.37,5.1 70.72,3.45
J_1A_HV_STEPSTICK_DRIVER on BOTTOM: 72.75,3.71 74.28,5.23 74.28,7.77 74.15,7.9 72.5,7.9 72.37,7.77 72.37,5.61 70.59,3.83 70.59,2.05 70.85,1.8 72.5,1.8 72.75,2.05
J_1A_HV_STEPSTICK_DRIVER1 on TOP: 86.72,2.05 86.98,1.8 88.63,1.8 88.88,2.05 88.88,3.45 90.15,4.72 90.15,8.53 90.03,8.66 88.5,8.66 88.37,8.53 88.37,5.1 86.72,3.45
J_1A_HV_STEPSTICK_DRIVER1 on BOTTOM: 88.76,3.71 90.28,5.23 90.28,7.77 90.15,7.9 88.5,7.9 88.37,7.77 88.37,5.61 86.6,3.83 86.6,2.05 86.85,1.8 88.5,1.8 88.76,2.05
J_1A_STEPSTICK_DRIVER on TOP: 102.73,2.05 102.98,1.8 104.63,1.8 104.88,2.05 104.88,3.45 106.15,4.72 106.15,8.53 106.03,8.66 104.5,8.66 104.38,8.53 104.38,5.1 102.73,3.45
J_1A_STEPSTICK_DRIVER on BOTTOM: 104.76,3.71 106.28,5.23 106.28,7.77 106.15,7.9 104.5,7.9 104.38,7.77 104.38,5.61 102.6,3.83 102.6,2.05 102.85,1.8 104.5,1.8 104.76,2.05
J_1A_STEPSTICK_DRIVER1 on TOP: 54.72,2.05 54.97,1.8 56.62,1.8 56.88,2.05 56.88,3.45 58.15,4.72 58.15,8.53 58.02,8.66 56.5,8.66 56.37,8.53 56.37,5.1 54.72,3.45
J_1A_STEPSTICK_DRIVER1 on BOTTOM: 56.75,3.71 58.28,5.23 58.28,7.77 58.15,7.9 56.5,7.9 56.37,7.77 56.37,5.61 54.59,3.83 54.59,2.05 54.85,1.8 56.5,1.8 56.75,2.05
J_1A_STEPSTICK_DRIVER2 on TOP: 38.72,2.05 38.97,1.8 40.62,1.8 40.88,2.05 40.88,3.45 42.15,4.72 42.15,8.53 42.02,8.66 40.5,8.66 40.37,8.53 40.37,5.1 38.72,3.45
J_1A_STEPSTICK_DRIVER2 on BOTTOM: 40.75,3.71 42.27,5.23 42.27,7.77 42.15,7.9 40.5,7.9 40.37,7.77 40.37,5.61 38.59,3.83 38.59,2.05 38.84,1.8 40.5,1.8 40.75,2.05
J_1B_HV_STEPSTICK_DRIVER on TOP: 73.26,2.05 73.52,1.8 75.8,1.8 76.69,2.69 76.69,8.53 76.56,8.66 74.79,8.66 74.66,8.53 74.66,4.85 73.26,3.45
J_1B_HV_STEPSTICK_DRIVER on BOTTOM: 74.66,7.77 74.66,5.1 73.13,3.58 73.13,2.05 73.39,1.8 75.93,1.8 76.82,2.69 76.82,7.77 76.69,7.9 74.79,7.9
J_1B_HV_STEPSTICK_DRIVER1 on TOP: 89.26,2.05 89.52,1.8 91.8,1.8 92.69,2.69 92.69,8.53 92.57,8.66 90.79,8.66 90.66,8.53 90.66,4.85 89.26,3.45
J_1B_HV_STEPSTICK_DRIVER1 on BOTTOM: 90.66,7.77 90.66,5.1 89.14,3.58 89.14,2.05 89.39,1.8 91.93,1.8 92.82,2.69 92.82,7.77 92.69,7.9 90.79,7.9
J_1B_STEPSTICK_DRIVER on TOP: 105.27,2.05 105.52,1.8 107.81,1.8 108.69,2.69 108.69,8.53 108.57,8.66 106.79,8.66 106.66,8.53 106.66,4.85 105.27,3.45
J_1B_STEPSTICK_DRIVER on BOTTOM: 106.66,7.77 106.66,5.1 105.14,3.58 105.14,2.05 105.39,1.8 107.93,1.8 108.82,2.69 108.82,7.77 108.69,7.9 106.79,7.9
J_1B_STEPSTICK_DRIVER1 on TOP: 57.26,2.05 57.51,1.8 59.8,1.8 60.69,2.69 60.69,8.53 60.56,8.66 58.78,8.66 58.66,8.53 58.66,4.85 57.26,3.45
J_1B_STEPSTICK_DRIVER1 on BOTTOM: 58.66,7.77 58.66,5.1 57.13,3.58 57.13,2.05 57.39,1.8 59.93,1.8 60.82,2.69 60.82,7.77 60.69,7.9 58.78,7.9
J_1B_STEPSTICK_DRIVER2 on TOP: 41.26,2.05 41.51,1.8 43.8,1.8 44.69,2.69 44.69,8.53 44.56,8.66 42.78,8.66 42.65,8.53 42.65,4.85 41.26,3.45
J_1B_STEPSTICK_DRIVER2 on BOTTOM: 42.65,7.77 42.65,5.1 41.13,3.58 41.13,2.05 41.38,1.8 43.92,1.8 44.81,2.69 44.81,7.77 44.69,7.9 42.78,7.9
J_2A_HV_STEPSTICK_DRIVER on TOP: 70.09,8.53 70.09,5.48 68.18,3.58 68.18,2.05 68.44,1.8 70.09,1.8 70.34,2.05 70.34,3.45 71.86,4.98 71.86,8.53 71.74,8.66 70.21,8.66
J_2A_HV_STEPSTICK_DRIVER on BOTTOM: 70.21,3.96 70.21,2.05 69.96,1.8 68.31,1.8 68.05,2.05 68.05,3.96 70.09,5.99 70.09,7.77 70.21,7.9 71.74,7.9 71.86,7.77 71.86,5.61
J_2A_HV_STEPSTICK_DRIVER1 on TOP: 86.09,8.53 86.09,5.48 84.18,3.58 84.18,2.05 84.44,1.8 86.09,1.8 86.34,2.05 86.34,3.45 87.87,4.98 87.87,8.53 87.74,8.66 86.22,8.66
J_2A_HV_STEPSTICK_DRIVER1 on BOTTOM: 86.22,3.96 86.22,2.05 85.96,1.8 84.31,1.8 84.06,2.05 84.06,3.96 86.09,5.99 86.09,7.77 86.22,7.9 87.74,7.9 87.87,7.77 87.87,5.61
J_2A_STEPSTICK_DRIVER on TOP: 102.09,8.53 102.09,5.48 100.19,3.58 100.19,2.05 100.44,1.8 102.09,1.8 102.34,2.05 102.34,3.45 103.87,4.98 103.87,8.53 103.74,8.66 102.22,8.66
J_2A_STEPSTICK_DRIVER on BOTTOM: 102.22,3.96 102.22,2.05 101.96,1.8 100.31,1.8 100.06,2.05 100.06,3.96 102.09,5.99 102.09,7.77 102.22,7.9 103.74,7.9 103.87,7.77 103.87,5.61
J_2A_STEPSTICK_DRIVER1 on TOP: 54.08,8.53 54.08,5.48 52.18,3.58 52.18,2.05 52.43,1.8 54.08,1.8 54.34,2.05 54.34,3.45 55.86,4.98 55.86,8.53 55.74,8.66 54.21,8.66
J_2A_STEPSTICK_DRIVER1 on BOTTOM: 54.21,3.96 54.21,2.05 53.96,1.8 52.31,1.8 52.05,2.05 52.05,3.96 54.08,5.99 54.08,7.77 54.21,7.9 55.74,7.9 55.86,7.77 55.86,5.61
J_2A_STEPSTICK_DRIVER2 on TOP: 38.08,8.53 38.08,5.48 36.18,3.58 36.18,2.05 36.43,1.8 38.08,1.8 38.34,2.05 38.34,3.45 39.86,4.98 39.86,8.53 39.73,8.66 38.21,8.66
J_2A_STEPSTICK_DRIVER2 on BOTTOM: 38.21,3.96 38.21,2.05 37.96,1.8 36.3,1.8 36.05,2.05 36.05,3.96 38.08,5.99 38.08,7.77 38.21,7.9 39.73,7.9 39.86,7.77 39.86,5.61
J_2B_HV_STEPSTICK_DRIVER on TOP: 65.64,2.05 65.9,1.8 67.55,1.8 67.8,2.05 67.8,3.58 69.58,5.36 69.58,8.53 69.45,8.66 67.93,8.66 67.8,8.53 67.8,6.25 65.64,4.09
J_2B_HV_STEPSTICK_DRIVER on BOTTOM: 67.67,4.09 69.58,5.99 69.58,7.77 69.45,7.9 67.8,7.9 67.67,7.77 67.67,6.5 65.26,4.09 65.26,2.05 65.51,1.8 67.42,1.8 67.67,2.05
J_2B_HV_STEPSTICK_DRIVER1 on TOP: 81.64,2.05 81.9,1.8 83.55,1.8 83.8,2.05 83.8,3.58 85.58,5.36 85.58,8.53 85.45,8.66 83.8,8.66 83.68,8.53 83.68,6.12 81.64,4.09
J_2B_HV_STEPSTICK_DRIVER1 on BOTTOM: 83.68,4.09 85.58,5.99 85.58,7.77 85.45,7.9 83.8,7.9 83.68,7.77 83.68,6.5 81.26,4.09 81.26,2.05 81.52,1.8 83.42,1.8 83.68,2.05
J_2B_STEPSTICK_DRIVER on TOP: 97.65,2.05 97.9,1.8 99.55,1.8 99.8,2.05 99.8,3.58 101.58,5.36 101.58,8.53 101.46,8.66 99.8,8.66 99.68,8.53 99.68,6.12 97.65,4.09
J_2B_STEPSTICK_DRIVER on BOTTOM: 99.68,4.09 101.58,5.99 101.58,7.77 101.46,7.9 99.8,7.9 99.68,7.77 99.68,6.5 97.26,4.09 97.26,2.05 97.52,1.8 99.42,1.8 99.68,2.05
J_2B_STEPSTICK_DRIVER1 on TOP: 49.64,2.05 49.89,1.8 51.54,1.8 51.8,2.05 51.8,3.58 53.58,5.36 53.58,8.53 53.45,8.66 51.8,8.66 51.67,8.53 51.67,6.12 49.64,4.09
J_2B_STEPSTICK_DRIVER1 on BOTTOM: 51.67,4.09 53.58,5.99 53.58,7.77 53.45,7.9 51.8,7.9 51.67,7.77 51.67,6.5 49.26,4.09 49.26,2.05 49.51,1.8 51.42,1.8 51.67,2.05
J_2B_STEPSTICK_DRIVER2 on TOP: 33.64,2.05 33.89,1.8 35.54,1.8 35.8,2.05 35.8,3.58 37.57,5.36 37.57,8.53 37.45,8.66 35.8,8.66 35.67,8.53 35.67,6.12 33.64,4.09
J_2B_STEPSTICK_DRIVER2 on BOTTOM: 35.67,4.09 37.57,5.99 37.57,7.77 37.45,7.9 35.8,7.9 35.67,7.77 35.67,6.5 33.26,4.09 33.26,2.05 33.51,1.8 35.42,1.8 35.67,2.05
N267397_HV_STEPSTICK_DRIVER on TOP: 60.94,3.2 60.94,23.14 61.96,24.15 66.78,24.15 67.8,23.14 67.8,20.47 65.26,17.93 65.26,8.4 65.77,7.9 65.77,4.72 63.86,2.82 61.32,2.82
N267397_HV_STEPSTICK_DRIVER1 on TOP: 76.94,3.2 76.94,23.14 77.96,24.15 82.79,24.15 83.8,23.14 83.8,20.47 81.26,17.93 81.26,8.4 81.77,7.9 81.77,4.72 79.87,2.82 77.33,2.82
N267397_STEPSTICK_DRIVER on TOP: 92.95,3.2 92.95,23.14 93.96,24.15 98.79,24.15 99.8,23.14 99.8,20.47 97.26,17.93 97.26,8.4 97.77,7.9 97.77,4.72 95.87,2.82 93.33,2.82
N267397_STEPSTICK_DRIVER1 on TOP: 44.94,3.2 44.94,23.14 45.96,24.15 50.78,24.15 51.8,23.14 51.8,20.47 49.26,17.93 49.26,8.4 49.77,7.9 49.77,4.72 47.86,2.82 45.32,2.82
N267397_STEPSTICK_DRIVER2 on TOP: 28.94,3.2 28.94,23.14 29.95,24.15 34.78,24.15 35.8,23.14 35.8,20.47 33.26,17.93 33.26,8.4 33.76,7.9 33.76,4.72 31.86,2.82 29.32,2.82
PI_5V on TOP: 51.8,92.86 57.89,92.86 58.28,93.24 58.28,96.92 57.64,97.56 45.45,97.56 44.81,96.92 44.81,91.72 42.53,89.43 42.53,85.24 42.91,84.86 45.7,84.86 47.1,86.26 50.78,86.26 51.04,86.51 51.04,92.1
N227848 on TOP: 38.46,61.49 38.08,61.87 37.07,61.87 36.56,62.38 36.56,67.08 36.81,67.33 39.35,67.33 39.48,67.21 39.48,59.71 39.35,59.59 38.72,59.59 38.46,59.84
N227924 on TOP: 33.38,67.21 33.38,59.08 33.51,58.95 34.15,58.95 34.4,58.7 34.4,57.81 34.27,57.68 31.1,57.68 30.59,58.19 30.59,67.08 30.84,67.33 33.26,67.33
N230815 on TOP: 53.2,61.24 52.81,61.62 51.8,61.62 51.29,62.13 51.29,66.82 51.54,67.08 54.08,67.08 54.21,66.95 54.21,59.46 54.08,59.33 53.45,59.33 53.2,59.59
N230925 on TOP: 48.12,66.95 48.12,58.82 48.24,58.7 48.88,58.7 49.13,58.44 49.13,57.55 49,57.43 45.83,57.43 45.32,57.93 45.32,66.82 45.58,67.08 47.99,67.08
N289661 on TOP: 10.78,81.94 10.78,73.05 10.14,72.41 1,72.41 0.36,73.05 0.36,81.94 1,82.57 10.14,82.57
N289661 on ART03: 9.76,81.94 0.87,81.94 0.62,81.68 0.62,72.92 1.13,72.41 9.51,72.41 10.14,73.05 10.14,81.56
N320178 on TOP: 2.9,28.6 2.9,21.99 3.28,21.61 6.33,21.61 6.71,21.99 14.08,21.99 14.59,22.5 14.59,24.66 14.21,25.04 12.43,25.04 12.05,25.42 12.05,26.57 11.92,26.69 9.38,26.69 9.13,26.44 9.13,24.66 8.62,24.15 6.33,24.15 5.7,24.79 5.7,28.6 5.32,28.98 3.28,28.98
N320190 on TOP: 2.78,14.25 3.03,13.99 7.86,13.99 9.13,15.26 14.21,15.26 14.59,15.64 14.59,17.42 14.33,17.68 12.3,17.68 12.05,17.93 12.05,18.95 11.92,19.07 9.38,19.07 9.13,18.82 9.13,17.42 8.24,16.53 6.21,16.53 5.7,17.04 5.7,20.85 5.44,21.1 3.03,21.1 2.78,20.85
N320362 on TOP: 8.87,24.79 8.87,26.57 9.38,27.07 16.24,27.07 16.75,26.57 16.75,25.8 17.38,25.17 19.79,25.17 19.92,25.3 19.92,27.58 19.67,27.84 18.02,27.84 17.25,28.6 6.46,28.6 6.08,28.22 6.08,24.91 6.59,24.41 8.49,24.41
N320378 on TOP: 8.87,17.55 8.87,18.95 9.63,19.71 19.29,19.71 20.05,20.47 20.05,22.5 19.92,22.63 17.64,22.63 16.62,21.61 6.97,21.61 6.08,20.72 6.08,17.29 6.46,16.91 8.24,16.91
N321285 on TOP: 12.17,8.66 12.17,11.33 11.92,11.58 9.51,11.58 9.13,11.2 9.13,9.93 8.62,9.42 5.95,9.42 5.7,9.67 5.7,13.36 5.44,13.61 3.03,13.61 2.78,13.36 2.78,6.63 3.03,6.37 5.06,6.37 5.32,6.63 5.32,7.64 5.57,7.9 11.41,7.9
N321377 on TOP: 18.27,15.52 18.27,16.28 20.18,18.18 25.38,18.18 25.64,18.44 25.64,22.37 25.38,22.63 23.48,22.63 23.35,22.5 23.35,20.22 22.84,19.71 19.67,19.71 14.97,15.01 9.25,15.01 6.33,12.09 6.33,10.06 6.84,9.55 8.24,9.55 8.87,10.18 8.87,11.71 10.52,13.36 16.11,13.36
N362569 on TOP: 129.52,38.12 137.14,38.12 137.52,37.74 137.52,28.98 137.14,28.6 125.71,28.6 123.17,31.14 120,31.14 119.36,31.77 119.36,38.63 119.87,39.14 128.51,39.14
N664624 on TOP: 62.09,76.1 62.09,76.86 62.21,76.98 63.1,76.98 63.48,77.37 63.48,86.89 62.97,87.4 60.31,87.4 60.18,87.27 60.18,83.59 58.15,81.56 58.15,77.62 58.4,77.37 58.91,77.37 59.16,77.11 59.16,75.84 60.82,75.84 60.94,75.97 61.96,75.97
N795197 on TOP: 16.62,33.93 16.62,34.82 17,35.2 17,36.47 17.25,36.73 18.78,36.73 19.03,36.47 20.43,36.47 20.68,36.73 20.68,37.87 20.43,38.12 16.24,38.12 15.22,37.11 15.22,35.07 14.46,34.31 0.62,34.31 0.36,34.06 0.36,31.9 0.74,31.52 9,31.52 10.4,32.92 15.6,32.92
N825883 on TOP: 1.51,48.28 17.89,48.28 18.27,48.66 18.27,55.14 17.76,55.65 11.54,55.65 11.29,55.39 11.29,52.47 10.65,51.84 1.63,51.84 1.25,51.46 1.25,48.54
N825911 on TOP: 1.51,40.66 17.89,40.66 18.27,41.04 18.27,47.65 18.02,47.9 11.54,47.9 11.29,47.65 11.29,44.73 10.78,44.22 1.63,44.22 1.25,43.84 1.25,40.92
N826938 on TOP: 3.16,57.17 3.16,65.43 3.41,65.68 11.54,65.68 12.56,66.7 21.32,66.7 21.57,66.44 21.57,56.66 21.45,56.54 3.79,56.54
N826938 on BOTTOM: 6.71,61.49 3.54,61.49 3.16,61.11 3.16,56.92 3.67,56.41 19.79,56.41 20.05,56.66 20.05,64.67 19.67,65.05 7.86,65.05 7.48,64.67 7.48,62.25
N826938 on ART02: 0.62,61.87 8.49,61.87 11.79,65.17 19.41,65.17 19.92,64.67 19.92,57.05 19.16,56.28 0.62,56.28 0.36,56.54 0.36,61.62
N828645 on TOP: 7.48,7.39 7.35,7.52 5.82,7.52 5.7,7.39 5.7,6.37 5.32,5.99 2.14,5.99 1.25,5.1 1.25,1.67 1.63,1.29 3.79,1.29 4.05,1.55 4.05,3.58 4.55,4.09 6.33,4.09 7.48,5.23
N828645 on TOP: 23.35,26.31 23.35,24.28 23.48,24.15 25.26,24.15 25.38,24.28 25.38,26.31 25.26,26.44 23.48,26.44
N828645 on BOTTOM: 23.35,26.57 23.35,18.18 25.26,16.28 25.26,10.69 23.35,8.79 7.22,8.79 3.54,5.1 2.01,5.1 1.25,4.34 1.25,1.55 1.51,1.29 3.92,1.29 4.17,1.55 4.17,2.82 8.24,6.88 24.62,6.88 27.6,9.87 27.6,16.98 25.38,19.2 25.38,26.57 25.26,26.69 23.48,26.69

Small or netless copper shapes (teardrops, artwork), in the pictures only: 1303 on TOP, 235 on BOTTOM, 12 on ART03

## Text on the board
Ref Des/Silkscreen Bottom: 24V | 12V | 5V | GND | PB4 | PC0 | PC8 | PB3 | PA1 | PB2 | PA15 | PC1 | VF | VLED | PE0 | PB13 | PE1 | 3V3 | 48V | COM | EN:PE5 | DIR:PC13 | STEP:PE6 | SC/PDN:PC14 | DIAG:PD12 | EN:PD4 | DIR:PD6 | STEP:PD5 | SC/PDN:PD7 | DIAG:PC4 | EN:PE9 | DIR:PE10 | STEP:PE11 | SC/PDN:PE7 | DIAG:PE0 | SCK:PE12 | MISO:PE13 | MOSI:PE14 | EN:PD9 | DIR:PB12 | STEP:PD8 | SC/PDN:PE15 | DIAG:PB13 | DM | DP | EN:PD15 | DIR:PD13 | STEP:PD14 | SC/PDN:PD10 | DIAG:PE1 | RX | TX | SYNC | DP7 | DM7 | DP3 | DM3 | DP4 | DM4 | RST | BOOT0 | B | A | CANH | CANL | PD11 | PC15 | PC5 | PB5 | (PA0) | PC2 | STDBY | BP0 | PWM | (PB15) | PD12 | 24 | PD3 | PROBE | (PE3) | 5 | PE8 | PC4 | MOT-E1 | MOT-E0 | MOT-X | MOT-Y | MOT-Z | MOT_SPI4
Ref Des/Silkscreen Top: FAN1 | FAN2 | LED | COOL | FAN | AC-BED | BL-TOUCH | 3V3 | 12V | 24V | 5V | GND | SIG | FILAMENT | RST | BT0 | BOOT0 | CLK | DIO | DM1 | DP1 | USB1 | MCU | RS232 | USB7 | USB3 | USB4 | B | A | RS485 | VBUS | DP7 | DM7 | DP3 | DM3 | DP4 | DM4 | RESERVE | OPEN2 | OPEN1 | HEAT | BED | LASER | ADC-TB | ADC-HEAT | PI 5V | 48V | H | L | X- | Y- | Z- | E1 | E0 | X | Y | Z
User.15: 24V | GND | 5V | LASER | 5V 10K 上拉 | STANDBY | ADC-TB | ADC-HEAT | CTR PNP 100K 下拉+NPN | 24V +FUSE | IN | OUT | FILE | 3V3 | MISO | MOSI | SCK | CS | CS1 | PMOS-24V | FG | NMOS | G | A | B | + | ADC | - | S | V | FAN | LED | AC-BED | X- | Y- | TOUCH | Z- | FILMENT | RS232 | TX | RX | SYNC | BOOT | RS485 | RST | 18,3 | 25 | E | X | Y | Z | VH3.96 | PH2.0 | XH2.54 | HC1.25 | USB
User.45: FIGURE | FINISHED_SIZE | 10.0 | 21.7 | 31.5 | 35.4 | 37.4 | 39.4 | 40.9 | 43.3 | 65.0 | 68.9 | 88.2 | 118.1 | 25.6 | 27.6 | 51.2x23.6 | 66.9x23.6 | 82.7x39.4 | DRILL CHART: TOP to BOTTOM | ALL UNITS ARE IN MILS | ROTATION | - | 90.000 | 0.000 | PLATED | NON-PLATED | QTY | 1030 | 5 | 63 | 90 | 12 | 130 | 50 | 18 | 6 | 2 | 4
